# Altium PCB MIXR Input System.PcbDoc
Units mm, origin at the board's own origin, x right, y up, seen from the top; angles counter-clockwise.
Board outline 177.8 x 80 mm, 2 copper layers (Top Layer, Bottom Layer); 96 components, 73 nets, 382 pads, 87 vias.
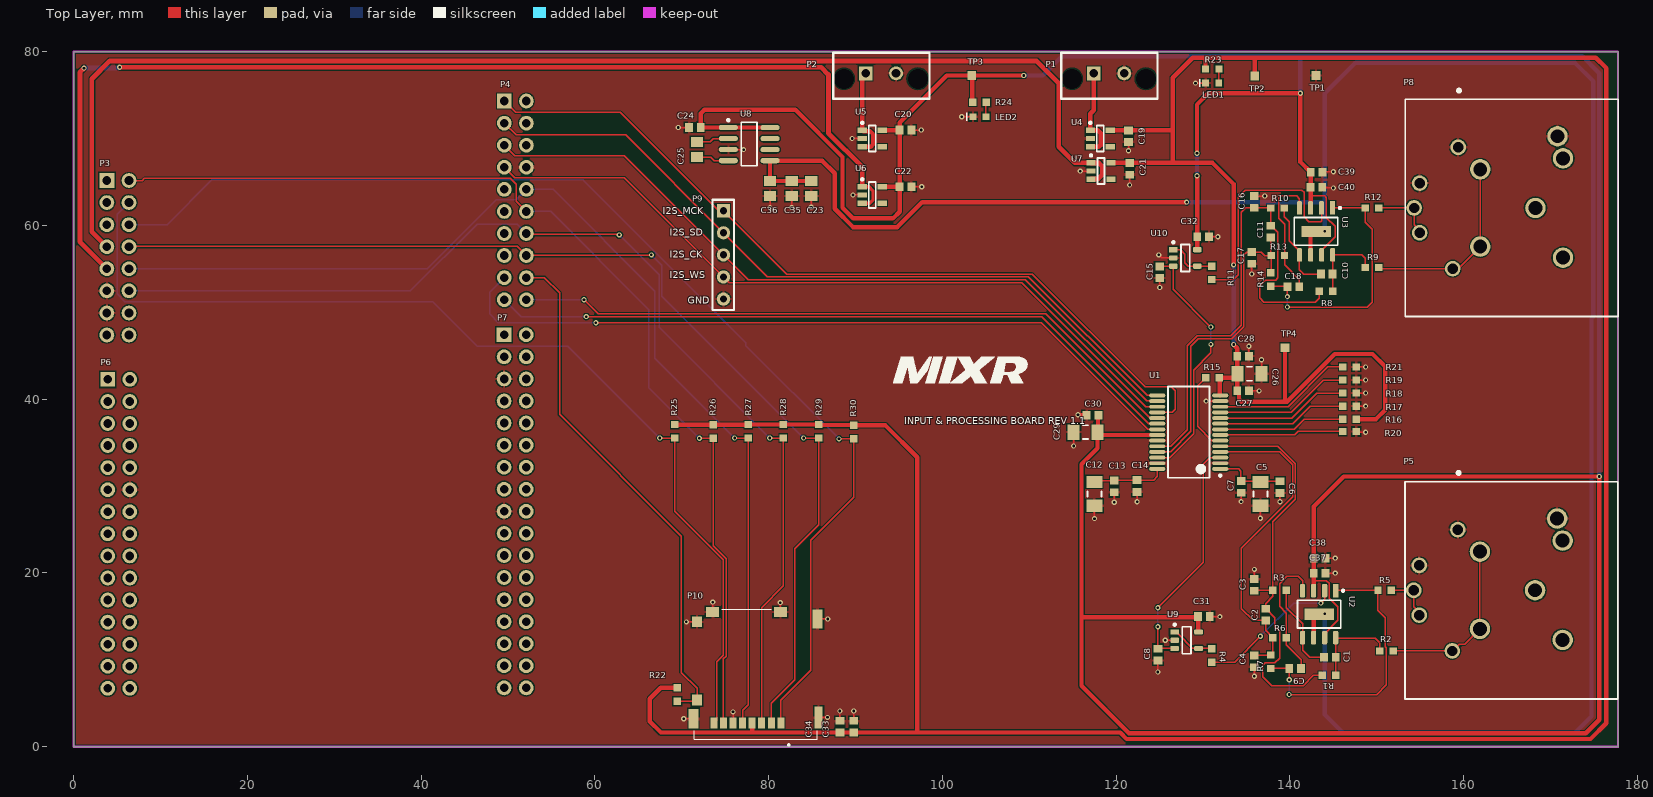
[diagram p0: Top Layer view]
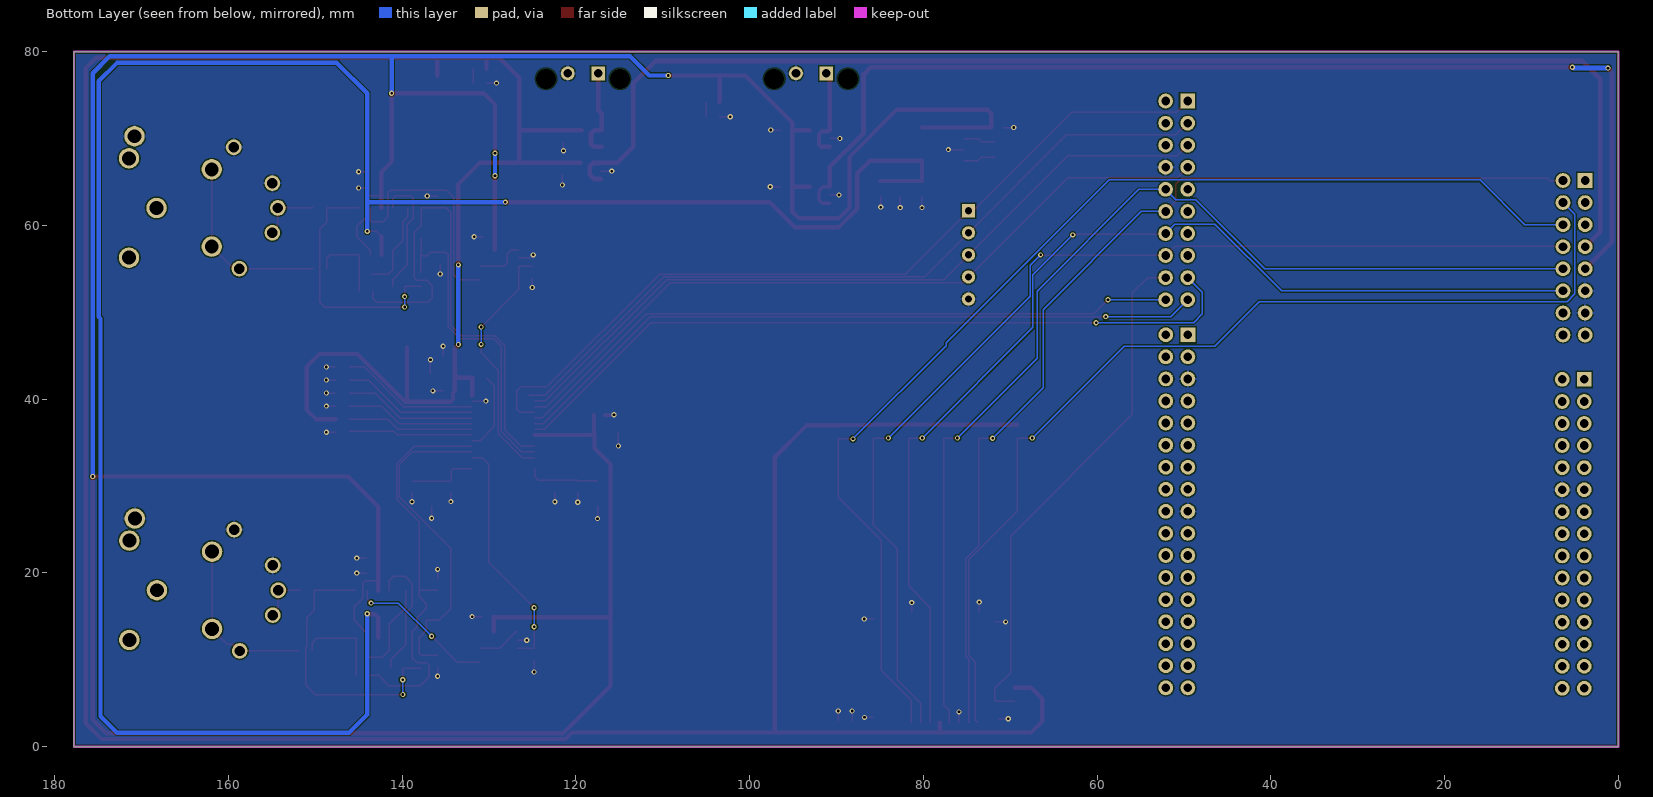
[diagram p1: Bottom Layer view, seen from below]
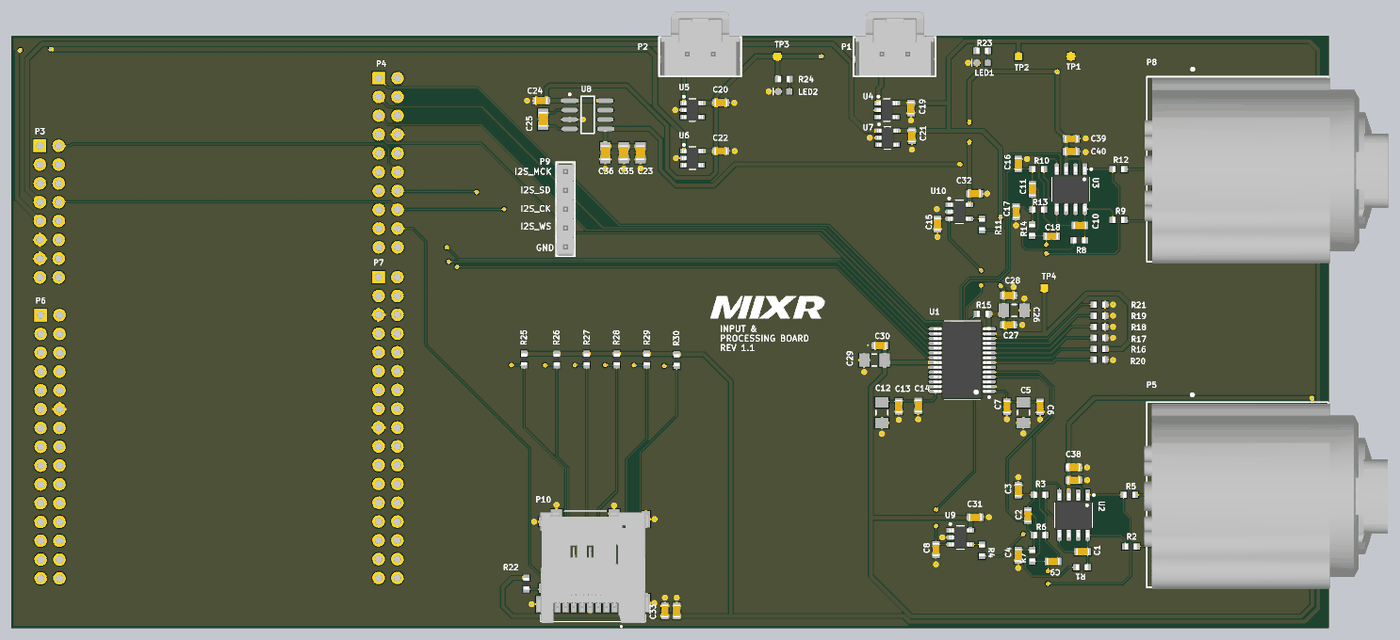
[diagram p2: 3D render of the assembled board from above, using the file's embedded part models]

## Layer stack, top to bottom
Top Solder: solder mask 0.0102, Solder Resist, Dk 3.5
Top Layer: signal copper 0.0356
Dielectric 1: dielectric 0.32, FR-4, Dk 4.8
Bottom Layer: signal copper 0.0356
Bottom Solder: solder mask 0.0102, Solder Resist, Dk 3.5

## Board outline
0,0 177.8,0 177.8,80 0,80

## Design rules (kind name [scope] priority, off if disabled: settings)
BoardOutlineClearance [All] p1: gap=0.295 ignorepadtopadclearanceinfootprint=FALSE
Clearance HV_IN_Clearance_to_GND [InNetClass('HV_IN') vs InNet('GND')] p1 off: gap=0.6 ignorepadtopadclearanceinfootprint=FALSE except(0: Arc-Hole Track-Hole SMDPad-Hole THPad-Hole Via-Hole Fill-Hole Poly-Hole Region-Hole Text-Hole)
Clearance HV_IN_Clearance_to_+6V [InNetClass('HV_IN') vs InNet('+6V')] p2 off: gap=0.6 ignorepadtopadclearanceinfootprint=FALSE except(0: Arc-Hole Track-Hole SMDPad-Hole THPad-Hole Via-Hole Fill-Hole Poly-Hole Region-Hole Text-Hole)
Clearance HV_IN_Clearance_to_+5V [InNetClass('HV_IN') vs InNet('+5V')] p3 off: gap=0.6 ignorepadtopadclearanceinfootprint=FALSE except(0: Arc-Hole Track-Hole SMDPad-Hole THPad-Hole Via-Hole Fill-Hole Poly-Hole Region-Hole Text-Hole)
Clearance [All] p4: gap=0.152 ignorepadtopadclearanceinfootprint=FALSE except(0: Arc-Hole Track-Hole SMDPad-Hole THPad-Hole Via-Hole Fill-Hole Poly-Hole Region-Hole Text-Hole)
DiffPairsRouting [All] p1: maxlimit=0.65 minlimit=0.45 mostfreqgap=0.6 toplayer_minwidth=0.18 toplayer_maxwidth=0.3 toplayer_prefwidth=0.2 bottomlayer_minwidth=0.18 bottomlayer_maxwidth=0.3 bottomlayer_prefwidth=0.2 maxuncoupledlength=12.7
Height [All] p1: minheight=0 maxheight=254 prefheight=12.7
HoleSize [All] p1: absolutevalues=TRUE maxlimit=100 minlimit=0.025 maxpercent=80.000 minpercent=20.000
MinimumSolderMaskSliver [All] p1: minsoldermaskwidth=0.3
PlaneConnect [All] p1: planeconnectstyle=Relief reliefexpansion=0.508 reliefentries=4 reliefconductorwidth=0.254 reliefairgap=0.152
PolygonConnect Vias [isVia] p1: connectstyle=Direct reliefconductorwidth=0.254 reliefentries=4 polygonreliefangle="90 Angle" airgapwidth=0.254
PolygonConnect FUSED_VBAT- [InNet('FUSED_VBAT-')] p2: thpad.connectstyle=Relief thpad.reliefconductorwidth=0.3 thpad.reliefentries=4 thpad.polygonreliefangle="90 Angle" thpad.airgapwidth=0.254 smdpad.connectstyle=Direct smdpad.reliefconductorwidth=0.254 smdpad.reliefentries=4 smdpad.polygonreliefangle="90 Angle" smdpad.airgapwidth=0.254 via.connectstyle=Direct via.reliefconductorwidth=0.254 via.reliefentries=4 via.polygonreliefangle="90 Angle" via.airgapwidth=0.254
PolygonConnect [All] p3: connectstyle=Relief reliefconductorwidth=0.3 reliefentries=4 polygonreliefangle="90 Angle" airgapwidth=0.152
RoutingVias [All] p1: holewidth=0.3 width=0.6 viastyle="Through Hole" minholewidth=0.3 minwidth=0.6 maxholewidth=0.711 maxwidth=1.27
SilkToSilkClearance [All] p1: silktosilkclearance=0
SilkToSolderMaskClearance [IsPad] p1: minsilkscreentomaskgap=0.178 clearancetoexposedcopper=TRUE
SolderMaskExpansion [All] p1: expansion=0.102
Width [All] p1: maxlimit=2.54 minlimit=0.15 preferedwidth=0.15
23 further rules are at their usual default settings.

## Classes and differential pairs
component class "MIXR Input System - Power&Control": C19 C20 C21 C22 C23 C24 C25 C26 C27 C28 C29 C30 C35 C36 R15 R16 R17 R18 R19 R20 R21 TP4 U1 U4 U5 U6 U7 U8
component class "MIXR Input System - input": C33 C34 LED1 LED2 P1 P2 P3 P4 P5 P6 P7 P8 P9 P10 R22 R23 R24 R25 R26 R27 R28 R29 R30 TP1 TP2 TP3
component class "MIXR Input System - Buffer": C1 C2 C3 C4 C5 C6 C7 C8 C9 C10 C11 C12 C13 C14 C15 C16 C17 C18 C31 C32 C37 C38 C39 C40 R1 R2 R3 R4 R5 R6 R7 R8 R9 R10 R11 R12 R13 R14 U2 U3 U9 U10

## Components (designator, comment, footprint, x,y, rotation, side; value= is the part's Value field where it differs from the comment)
C1 "CAP CER 1NF 16V 10% X7R 0603" "CAP, 0603" 144.6,10.3 r0 top
C2 "CAP CER 2700PF 50V X7R 0603" "CAP, 0603" 137.2,15.2 r270 top
C3 "CAP CER 100PF 50V C0G/NP0 0603" "CAP, 0603" 135.9,18.625 r90 top
C4 "CAP CER 100PF 50V C0G/NP0 0603" "CAP, 0603" 135.9,9.825 r270 top
C5 "CAP CER 22UF 6.3V ±10% X7R 1206" "CAP, 1206" 136.6,29.1 r270 top
C6 "CAP CER 10uF 25V 20% X5R 0603" "CAP, 0603" 138.85,29.875 r270 top
C7 "CAP CER 0.1UF 50V 10% X7R 0603" "CAP, 0603" 134.375,29.9 r270 top
C8 "CAP CER 0.1UF 50V 10% X7R 0603" "CAP, 0603" 124.8,10.6 r270 top
C9 "CAP CER 1NF 16V 10% X7R 0603" "CAP, 0603" 140.6,9 r0 top
C10 "CAP CER 1NF 16V 10% X7R 0603" "CAP, 0603" 144.23,54.4 r0 top
C11 "CAP CER 2700PF 50V X7R 0603" "CAP, 0603" 137.8,59.275 r270 top
C12 "CAP CER 22UF 6.3V ±10% X7R 1206" "CAP, 1206" 117.5,29.1 r270 top
C13 "CAP CER 10uF 25V 20% X5R 0603" "CAP, 0603" 119.77,29.95 r270 top
C14 "CAP CER 0.1UF 50V 10% X7R 0603" "CAP, 0603" 122.4,30 r270 top
C15 "CAP CER 0.1UF 50V 10% X7R 0603" "CAP, 0603" 125,54.6 r270 top
C16 "CAP CER 100PF 50V C0G/NP0 0603" "CAP, 0603" 135.9,62.7 r90 top
C17 "CAP CER 100PF 50V C0G/NP0 0603" "CAP, 0603" 135.6,56.25 r270 top
C18 "CAP CER 1NF 16V 10% X7R 0603" "CAP, 0603" 140.4,52.95 r0 top
C19 "CAP CER 4.7UF 25V 10% X5R 0603" "CAP, 0603" 121.42,70.255 r270 top
C20 "CAP CER 4.7UF 25V 10% X5R 0603" "CAP, 0603" 95.75,70.97 r0 top
C21 "CAP CER 4.7UF 25V 10% X5R 0603" "CAP, 0603" 121.545,66.5 r270 top
C22 "CAP CER 4.7UF 25V 10% X5R 0603" "CAP, 0603" 95.75,64.45 r0 top
C23 "CAP CER 10uF 25V 10% X5R 0805" "CAP, 0805" 84.906,64.235 r270 top
C24 "CAP CER 2.2UF 25V 10% X5R 0603" "CAP, 0603" 71.5,71.257 r0 top
C25 "CAP CER 10uF 25V 10% X5R 0805" "CAP, 0805" 71.75,68.735 r270 top
C26 "CAP CER 22UF 6.3V ±10% X7R 1206" "CAP, 1206" 135.35,42.917 r0 top
C27 "CAP CER 10uF 25V 20% X5R 0603" "CAP, 0603" 134.6,40.95 r0 top
C28 "CAP CER 0.1UF 50V 10% X7R 0603" "CAP, 0603" 134.6,44.95 r0 top
C29 "CAP CER 22UF 6.3V ±10% X7R 1206" "CAP, 1206" 116.475,36.2 r180 top
C30 "CAP CER 10uF 25V 20% X5R 0603" "CAP, 0603" 117.272,38.15 r180 top
C31 "CAP CER 0.1UF 50V 10% X7R 0603" "CAP, 0603" 130.1,14.975 r0 top
C32 "CAP CER 0.1UF 50V 10% X7R 0603" "CAP, 0603" 130,58.7 r0 top
C33 "CAP CER 4.7UF 25V 10% X5R 0603" "CAP, 0603" 89.8,2.3 r90 top
C34 "CAP CER 0.1UF 50V 10% X7R 0603" "CAP, 0603" 88.2,2.3 r270 top
C35 "CAP CER 10uF 25V 10% X5R 0805" "CAP, 0805" 82.656,64.235 r270 top
C36 "CAP CER 10uF 25V 10% X5R 0805" "CAP, 0805" 80.156,64.235 r270 top
C37 "CAP CER 10uF 25V 20% X5R 0603" "CAP, 0603" 143.4,19.975 r0 top
C38 "CAP CER 0.1UF 50V 10% X7R 0603" "CAP, 0603" 143.4,21.7 r0 top
C39 "CAP CER 10uF 25V 20% X5R 0603" "CAP, 0603" 143.075,66.1 r0 top
C40 "CAP CER 0.1UF 50V 10% X7R 0603" "CAP, 0603" 143.04,64.4 r0 top
LED1 "LED GREEN CLEAR 2V 0603" LED_0603 131.75,76.381 r180 top
LED2 "LED BLUE CLEAR 2.8V 0603" LED_0603 104.95,72.51 r180 top
P1 "CONN 2POS ULTRA-FIT 0.138\"" "CONN, 2POS ULTRA-FIT" 117.42,77.5 r0 top
P2 "CONN 2POS ULTRA-FIT 0.138\"" "CONN, 2POS ULTRA-FIT" 91.17,77.5 r0 top
P3 "CONN 16POS HEADER FEMALE 0.1\"" "CONN, 16POS 0.100\" Header" 3.83,65.161 r270 top locked
P4 "CONN 20POS HEADER FEMALE 0.1\"" "CONN, 20POS 0.100\" HEADER" 49.576,74.305 r270 top locked
P5 "CONN XLR-TRS COMBO 3 POLE" "CONN XLR-TRS COMBO 3 POLE" 177.735,18 r270 top
P6 "CONN 30POS HEADER FEMALE 0.1\"" "CONN, 30POS 0.100\" HEADER" 3.932,42.275 r270 top locked
P7 "CONN 34POS HEADER FEMALE 0.1\"" "CONN, 34POS 0.100\" HEADER" 49.55,47.406 r270 top locked
P8 "CONN XLR-TRS COMBO 3 POLE" "CONN XLR-TRS COMBO 3 POLE" 177.775,62 r270 top
P9 "5POS 0.1" "CONN, 5POS HEADR 0.1\"" 74.8,61.68 r270 top
P10 "CONN MICRO-SD ULTRA-LOW 8CKT" "CONN MICRO-SD HOLDER MOLEX 503182-1852" 78.5,9.09 r180 top
R1 "1K" "RES, 0603" 144.5,8.2 r180 top
R2 "1K" "RES, 0603" 151.1,11.015 r180 top
R3 "RES 40.2 OHM 0.5% 1/10W 0603" "RES, 0603" 138.8,18 r180 top
R4 "1K" "RES, 0603" 131,10.5 r270 top
R5 "1K" "RES, 0603" 150.9,18 r180 top
R6 "RES 40.2 OHM 0.5% 1/10W 0603" "RES, 0603" 138.8,12.55 r180 top
R7 "1K" "RES, 0603" 137.8,9.775 r90 top
R8 "1K" "RES, 0603" 144.13,52.4 r180 top
R9 "1K" "RES, 0603" 149.425,55.15 r180 top
R10 "RES 40.2 OHM 0.5% 1/10W 0603" "RES, 0603" 138.575,62 r180 top
R11 "1K" "RES, 0603" 131,54.537 r270 top
R12 "1K" "RES, 0603" 149.425,62 r180 top
R13 "RES 40.2 OHM 0.5% 1/10W 0603" "RES, 0603" 138.6,56.525 r180 top
R14 "1K" "RES, 0603" 137.775,53.762 r90 top
R15 "RES 10K OHM 1% 1/10W 0603" "RES, 0603" 131.1,42.45 r180 top
R16 "RES 10K OHM 1% 1/10W 0603" "RES, 0603" 146.855,37.7 r180 top
R17 "RES 10K OHM 1% 1/10W 0603" "RES, 0603" 146.855,39.2 r0 top
R18 "RES 10K OHM 1% 1/10W 0603" "RES, 0603" 146.855,40.7 r0 top
R19 "RES 10K OHM 1% 1/10W 0603" "RES, 0603" 146.855,42.2 r0 top
R20 "RES 10K OHM 1% 1/10W 0603" "RES, 0603" 146.855,36.275 r0 top
R21 "RES 10K OHM 1% 1/10W 0603" "RES, 0603" 146.855,43.7 r0 top
R22 "RES 10K OHM 1% 1/10W 0603" "RES, 0603" 69.5,6 r90 top
R23 "RES 10K OHM 1% 1/10W 0603" "RES, 0603" 131.05,78 r0 top
R24 "RES 10K OHM 1% 1/10W 0603" "RES, 0603" 104.25,74.175 r0 top
R25 "RES 10K OHM 1% 1/10W 0603" "RES, 0603" 69.2,36.3 r90 top
R26 "RES 10K OHM 1% 1/10W 0603" "RES, 0603" 73.6,36.275 r90 top
R27 "RES 10K OHM 1% 1/10W 0603" "RES, 0603" 77.638,36.3 r90 top
R28 "RES 10K OHM 1% 1/10W 0603" "RES, 0603" 81.7,36.3 r90 top
R29 "RES 10K OHM 1% 1/10W 0603" "RES, 0603" 85.745,36.3 r90 top
R30 "RES 10K OHM 1% 1/10W 0603" "RES, 0603" 89.8,36.2 r90 top
TP1 "Test Point" "Test Point" 143,77.25 r90 top
TP2 "Test Point" "Test Point" 135.95,77.2 r90 top
TP3 "Test Point" "Test Point" 103.375,77.25 r90 top
TP4 "Test Point" "Test Point" 139.425,45.925 r90 top
U1 "IC ADC/AUDIO 24BIT 216K 28SSOP" "IC ADC 24 BIT AUDIO 216 KHZ SSOP-28" 128.35,36.2 r180 top
U2 "LME49724" "IC OP AMP AUDIO LME49724 8-SOIC" 143.355,15.25 r270 top
U3 "LME49724" "IC OP AMP AUDIO LME49724 8-SOIC" 143,59.3 r270 top
U4 "IC IDEAL DIODE CURRENT SWITCH SOT23-5" SOT95P280X145-5N 118.17,70 r0 top
U5 "IC IDEAL DIODE CURRENT SWITCH SOT23-5" SOT95P280X145-5N 91.92,70 r0 top
U6 "IC IDEAL DIODE CURRENT SWITCH SOT23-5" SOT95P280X145-5N 91.92,63.5 r0 top
U7 "IC IDEAL DIODE CURRENT SWITCH SOT23-5" SOT95P280X145-5N 118.25,66.25 r0 top
U8 "IC REG SWTCHD CAP INV 20MA 8SOIC" SOIC8 77.75,69.322 r0 top
U9 "IC OP AMP GEN PURPOSE RR 5.5MHZ SOT-23-5" "IC OP AMP GP RR 10MHZ SOT-23-5" 128.1,12.25 r0 top
U10 "IC OP AMP GEN PURPOSE RR 5.5MHZ SOT-23-5" "IC OP AMP GP RR 10MHZ SOT-23-5" 127.95,56.25 r0 top

## Footprints (in the part's own frame and the unit in brackets; to place one, negate y for a bottom-side part, rotate by r counter-clockwise, add the part's x,y. Pads: shape width x height; smd on the part's side, far side on the other; paste and mask are expansions set on the pad)
"CAP, 0603" [mm] "Chip Capacitor, 2-Leads, Body 1.60x0.81mm, IPC Medium Density"
  rect 0.9x1 smd mask+0.076: 1(-0.675,0) 2(0.675,0)
  body extent -0.87,-0.48 0.87,0.48, height 0.9
"CAP, 0805" [mm] "Chip Capacitor, 2-Leads, Body 2.00x1.25mm, IPC Medium Density"
  rect 1.15x1.4 smd: 1(-0.875,0) 2(0.875,0)
  body extent -1,-0.63 1,0.63, height 1.25
"CAP, 1206" [mm] "Chip Capacitor, 2-Leads, Body 3.20x1.60mm, IPC Medium Density"
  rect 1.4x1.8 smd: 1(-1.375,0) 2(1.375,0)
  silkscreen extent -0.3,-0.8 0.3,0.8, body extent -1.68,-0.87 1.67,0.87, height 1.8
"CONN MICRO-SD HOLDER MOLEX 503182-1852" [mm]
  rect 0.8x1.24 smd: 1(-2.9,6.355) 2(-1.8,6.355) 3(-0.7,6.355) 4(0.4,6.355) 5(1.5,6.355) 6(2.6,6.355) 7(3.7,6.355) 8(4.8,6.355)
  rect 1.16x1.25 smd: 9(6.74,3.725)
  rect 1.16x1.2 smd: 10(6.74,-5.275)
  rect 0.95x2.5 smd: 11(-7.245,5.725)
  rect 1.15x2.2 smd: 11(-7.145,-5.605) 11(7.145,5.875)
  rect 1.5x1.15 smd: 11(-2.84,-6.4) 11(4.94,-6.4)
  silkscreen extent -7.07,-6.73 7.07,8.99, body extent -7.47,-6.5 7.47,8.45, height 1.43
"CONN XLR-TRS COMBO 3 POLE" [mm]
  round 1.8 hole 1.2: 1(-6.985,-18.415) 2(6.985,-19.05) 3(0,-23.495) 4(-2.857,-22.86) 5(2.858,-22.86)
  round 2.35 hole 1.6: 6(-4.445,-15.875) 7(4.445,-15.875) 8(-8.255,-6.985) 9(-5.715,-6.35) 10(0,-9.525) 11(5.715,-6.35)
  silkscreen extent -13.65,-24.5 12.5,0, body extent -12.3,-24.8 12.7,8.05, height 29.12
"CONN, 2POS ULTRA-FIT" [mm] "2 Positions Header, Shrouded Connector 0.138\" (3.50mm) Through Hole Gold"
  rect 1.6x1.6 hole 1.02: 1(0,0)
  round 1.6 hole 1.02: 2(3.5,0)
  round 1.6 hole 2.3: ""(-2.5,-0.63) ""(6,-0.63)
  silkscreen extent -3.74,-2.93 7.33,2.37, body extent -3.48,-2.87 7.12,5.79, height 13.85
"CONN, 5POS HEADR 0.1\"" [mil]
  rect 60x60 hole 33.46: 1(0,0)
  round 60 hole 33.46: 2(100,0) 3(200,0) 4(300,0) 5(400,0)
  silkscreen extent -50,-50 450,48, body extent -50,-50 450,48, height 335
"CONN, 16POS 0.100\" Header" [mm]
  rect 1.7x1.7 hole 1: 1(0,0)
  round 1.7 hole 1: 2(2.54,0) 3(5.08,0) 4(7.62,0) 5(10.16,0) 6(12.7,0) 7(15.24,0) 8(17.78,0) 9(17.78,2.54) 10(15.24,2.54) 11(12.7,2.54) 12(10.16,2.54) 13(7.62,2.54) 14(5.08,2.54) 15(2.54,2.54) 16(0,2.54)
"CONN, 20POS 0.100\" HEADER" [mm] "20 Position Header Connector 0.100\" (2.54mm) Through Hole Tin"
  rect 1.7x1.7 hole 1: 1(0,0)
  round 1.7 hole 1: 2(2.54,0) 3(5.08,0) 4(7.62,0) 5(10.16,0) 6(12.7,0) 7(15.24,0) 8(17.78,0) 9(20.32,0) 10(22.86,0) 11(22.86,2.54) 12(20.32,2.54) 13(17.78,2.54) 14(15.24,2.54) 15(12.7,2.54) 16(10.16,2.54) 17(7.62,2.54) 18(5.08,2.54) 19(2.54,2.54) 20(0,2.54)
"CONN, 30POS 0.100\" HEADER" [mm] "30 Position Header Connector 0.100\" (2.54mm) Through Hole Tin"
  rect 1.7x1.7 hole 1: 1(0,0)
  round 1.7 hole 1: 2(2.54,0) 3(5.08,0) 4(7.62,0) 5(10.16,0) 6(12.7,0) 7(15.24,0) 8(17.78,0) 9(20.32,0) 10(22.86,0) 11(25.4,0) 12(27.94,0) 13(30.48,0) 14(33.02,0) 15(35.56,0) 16(35.56,2.54) 17(33.02,2.54) 18(30.48,2.54) 19(27.94,2.54) 20(25.4,2.54) 21(22.86,2.54) 22(20.32,2.54) 23(17.78,2.54) 24(15.24,2.54) 25(12.7,2.54) 26(10.16,2.54) 27(7.62,2.54) 28(5.08,2.54) 29(2.54,2.54) 30(0,2.54)
"CONN, 34POS 0.100\" HEADER" [mm] "34 Position Header Connector 0.100\" (2.54mm) Through Hole Tin"
  rect 1.7x1.7 hole 1: 1(0,0)
  round 1.7 hole 1: 2(2.54,0) 3(5.08,0) 4(7.62,0) 5(10.16,0) 6(12.7,0) 7(15.24,0) 8(17.78,0) 9(20.32,0) 10(22.86,0) 11(25.4,0) 12(27.94,0) 13(30.48,0) 14(33.02,0) 15(35.56,0) 16(38.1,0) 17(40.64,0) 18(38.1,2.54) 18(40.64,2.54) 20(35.56,2.54) 21(33.02,2.54) 22(30.48,2.54) 23(27.94,2.54) 24(25.4,2.54) 25(22.86,2.54) 26(20.32,2.54) 27(17.78,2.54) 28(15.24,2.54) 29(12.7,2.54) 30(10.16,2.54) 31(7.62,2.54) 32(5.08,2.54) 33(2.54,2.54) 34(0,2.54)
"IC ADC 24 BIT AUDIO 216 KHZ SSOP-28" [mm] "SOP, 28-Leads, Body 10.20x5.30mm, Pitch 0.65mm, IPC Medium Density"
  oval 1.85x0.45 smd: 1(-3.625,4.225) 2(-3.625,3.575) 3(-3.625,2.925) 4(-3.625,2.275) 5(-3.625,1.625) 6(-3.625,0.975) 7(-3.625,0.325) 8(-3.625,-0.325) 9(-3.625,-0.975) 10(-3.625,-1.625) 11(-3.625,-2.275) 12(-3.625,-2.925) 13(-3.625,-3.575) 14(-3.625,-4.225) 15(3.625,-4.225) 16(3.625,-3.575) 17(3.625,-2.925) 18(3.625,-2.275) 19(3.625,-1.625) 20(3.625,-0.975) 21(3.625,-0.325) 22(3.625,0.325) 23(3.625,0.975) 24(3.625,1.625) 25(3.625,2.275) 26(3.625,2.925) 27(3.625,3.575) 28(3.625,4.225)
  silkscreen extent -3.75,-5.25 2.4,5.25, body extent -3.9,-5.25 3.9,5.25, height 2
"IC OP AMP AUDIO LME49724 8-SOIC" [mm]
  rect 1.55x0.6 smd: 1(-2.7,1.905)
  rrect50% 1.55x0.6 smd: 2(-2.7,0.635) 3(-2.7,-0.635) 4(-2.7,-1.905) 5(2.7,-1.905) 6(2.7,-0.635) 7(2.7,0.635) 8(2.7,1.905)
  rect 1.3x3.4 smd: 9(0,0)
  silkscreen extent -2.82,-2.5 1.6,2.88, body extent -3,-2.5 3,2.5, height 1.7
"IC OP AMP GP RR 10MHZ SOT-23-5" [mm] "SOT23, 5-Leads, Body 2.90x2.80mm, Pitch 0.95mm, IPC Medium Density"
  rect 1x0.6 smd: 1(-1.375,0.95)
  rrect50% 1x0.6 smd: 2(-1.375,0) 3(-1.375,-0.95) 4(1.375,-0.95) 5(1.375,0.95)
  silkscreen extent -1.5,-1.55 0.5,1.92, body extent -1.5,-1.53 1.5,1.53, height 1.45
LED_0603 [mm]
  rect 0.8x0.8 smd: 1(-0.05,0.01) 2(1.45,0.01)
  silkscreen extent 2.13,-0.46 2.13,0.45, body extent -0.09,-0.39 1.51,0.41, height 0.8
"RES, 0603" [mm] "Chip Resistor, 2-Leads, Body 1.60x0.80mm, IPC Medium Density"
  rect 0.85x0.85 smd: 1(-0.775,0) 2(0.775,0)
  body extent -0.8,-0.4 0.8,0.4, height 0.55
SOIC8 [mm]
  oval 2.2x0.6 smd: 1(-2.394,1.935) 2(-2.394,0.665) 3(-2.394,-0.605) 4(-2.394,-1.875) 5(2.406,-1.875) 6(2.406,-0.605) 7(2.406,0.665) 8(2.406,1.935)
  silkscreen extent -2.52,-2.47 0.91,2.91, body extent -1.99,-2.47 2.01,2.53, height 1.75
SOT95P280X145-5N [mm] "SOT23, 5-Leads, Body 2.95x2.80mm, Pitch 0.95mm, IPC Medium Density"
  rect 1.05x0.6 smd: 1(-1.15,0.95) 2(-1.15,0) 3(-1.15,-0.95) 4(1.15,-0.95) 5(1.15,0.95)
  silkscreen extent -1.27,-1.5 0.4,1.92, body extent -1.4,-1.48 1.4,1.48, height 1.45
"Test Point" [mm]
  rect 1x1 smd paste-2: TP(0,0)
